# Altium PCB DDR3_Example.PcbDoc (part 5 of 6)
Units mm, origin at the board's own origin, x right, y up, seen from the top; angles counter-clockwise.
Board outline 133.38 x 30.03 mm, 6 copper layers (TOP, SPLIT1_L2, IN1_L3, IN2_L4, SPLIT2_L5, BOTTOM), stack 1.246 mm thick; 131 components, 227 nets, 1523 pads, 910 vias.
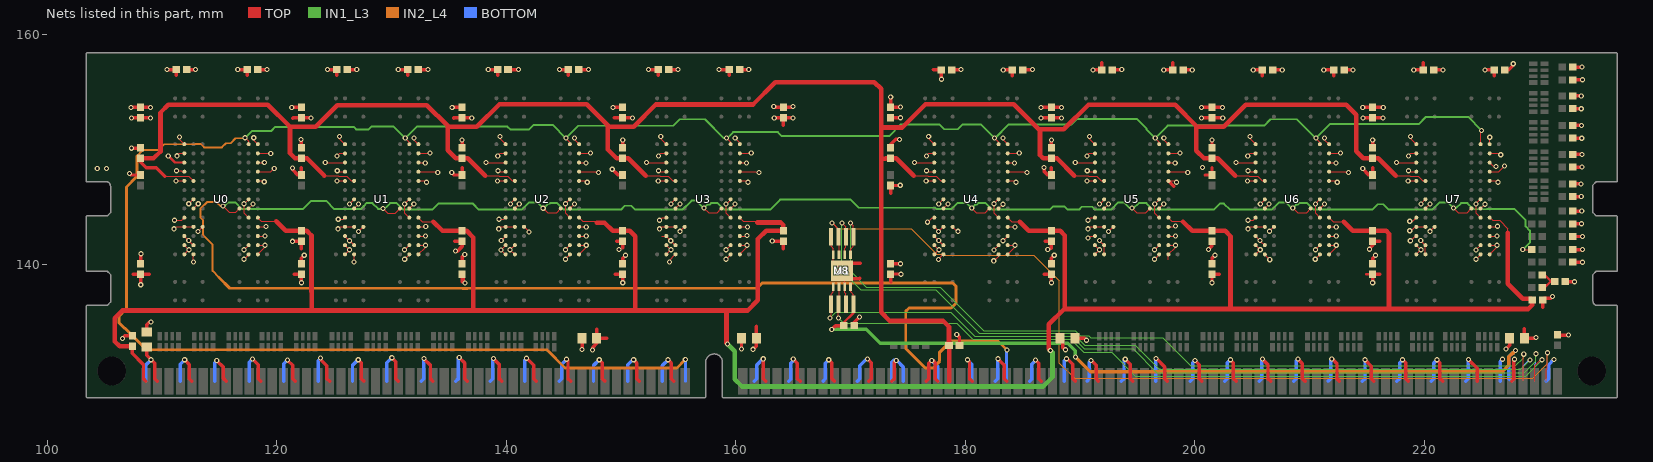
[diagram p9: the nets of this part, all layers, seen from the top]

## Via types
v1: diameter 0.45, hole 0.25, TOP to BOTTOM, 910 vias

## Nets (pads, with @x,y where several pads share a name; then routed paths per layer and width w, separated by ;. In a path a pad name is that pad's centre, name@x,y a point inside that pad or via, vN(x,y) a via of type N, cw(c..) or ccw(c..) an arc to the next point about the centre after c; other vN are vias at no path point) (continued)
RAS: RT6.1 U0.F3 U1.F3 U2.F3 U3.F3 U4.F3 U5.F3 U6.F3 U7.F3 | length 239.8
  TOP w0.1: v1(115.309,145.067) 115.874,144.502 116.405,144.502 U0.F3@116.746,144.843 ; v1(129.246,144.845) 129.246,144.863 129.682,144.427 130.33,144.427 U1.F3@130.746,144.843 ; v1(143.215,144.858) 143.596,144.477 144.38,144.477 U2.F3@144.746,144.843 ; v1(157.226,144.881) 157.64,144.467 158.37,144.467 U3.F3@158.746,144.843 ; v1(180.556,144.875) 180.954,144.477 181.73,144.477 U4.F3@182.096,144.843 ; v1(194.536,144.87) 194.929,144.477 195.73,144.477 U5.F3@196.096,144.843 ; v1(208.536,144.87) 208.536,144.899 208.958,144.477 209.73,144.477 U6.F3@210.096,144.843 ; v1(222.546,144.875) 222.944,144.477 223.73,144.477 U7.F3@224.096,144.843 ; v1(228.576,141.259) RT6.1@229.369,141.259
  IN1_L3 w0.17: v1(115.309,145.067) 115.487,145.067 115.79,145.37 116.376,145.37 116.957,144.789 122.285,144.789 122.996,145.5 124.296,145.5 125.006,144.79 127.266,144.79 127.269,144.793 127.308,144.793 127.563,145.048 ; 127.564,145.048 127.836,145.32 128.316,145.32 128.324,145.312 128.33,145.312 128.829,144.813 v1@129.246,144.813 ; v1(129.246,144.845) v1@129.246,144.813 ; v1(228.576,141.259) 229.186,141.869 229.186,142.92 228.826,143.28 228.826,143.81 227.856,144.78 225.475,144.78 225.468,144.773 224.283,144.773 223.74,145.316 223.194,145.316 222.753,144.875 v1(222.546,144.875) 222.041,145.38 221.346,145.38 220.706,144.74 216.886,144.74 216.416,145.21 215.926,145.21 215.461,144.745 210.351,144.745 209.78,145.316 209.529,145.316 209.528,145.317 209.081,145.317 208.944,145.18 208.833,145.18 208.536,144.883 v1(208.536,144.87) 208.515,144.891 208.392,144.891 207.903,145.38 207.346,145.38 206.706,144.74 203.066,144.74 202.536,145.27 202.176,145.27 201.646,144.74 198.089,144.74 198.084,144.745 196.351,144.745 195.78,145.316 195.092,145.316 194.646,144.87 v1(194.536,144.87) 194.503,144.903 194.273,144.903 193.796,145.38 193.346,145.38 192.706,144.74 191.296,144.74 191.046,144.99 190.156,144.99 189.906,144.74 188.926,144.74 188.636,145.03 187.656,145.03 187.366,144.74 182.356,144.74 181.779,145.317 181.143,145.317 181.006,145.18 180.861,145.18 v1(180.556,144.875) 180.251,145.18 180.248,145.18 180.116,145.312 179.298,145.312 178.779,144.793 177.504,144.793 177.394,144.903 170.723,144.903 170.016,145.61 163.866,145.61 162.996,144.74 159.006,144.74 158.429,145.317 157.844,145.317 157.707,145.18 157.525,145.18 v1(157.226,144.881) 157.192,144.881 156.543,145.53 156.146,145.53 155.356,144.74 151.226,144.74 150.886,145.08 150.336,145.08 149.996,144.74 146.739,144.74 146.734,144.745 145.001,144.745 144.43,145.316 143.834,145.316 143.801,145.283 143.697,145.283 143.272,144.858 v1(143.215,144.858) 142.693,145.38 141.996,145.38 141.356,144.74 137.606,144.74 137.056,145.29 134.096,145.29 133.546,144.74 131.006,144.74 130.446,145.3 129.886,145.3 129.534,144.948 129.315,144.813 v1@129.246,144.813
  IN2_L4 w0.17: 114.963,138.838 114.406,139.395 114.406,141.7 113.583,142.523 113.583,143.822 113.366,144.039 113.366,144.841 113.931,145.406 114.744,145.406 115.083,145.067 v1(115.309,145.067)
  IN2_L4 w0.254: 114.963,138.838 115.912,137.889 136.199,137.889 136.207,137.881 136.605,137.881 136.613,137.889 161.84,137.889 162.281,138.33 178.926,138.33 179.186,138.07 179.186,136.59 178.766,136.17 175.086,136.17 174.806,135.89 174.806,132.65 176.504,130.952 177.178,130.952 177.764,131.538 177.764,132.32 178.736,133.292 182.844,133.292 v1(183.636,132.5)
  BOTTOM w0.254: 183.601,129.784 183.601,132.465 v1(183.636,132.5)
RESET: U0.N2 U1.N2 U2.N2 U3.N2 U4.N2 U5.N2 U6.N2 U7.N2 | length 201.6
  TOP w0.1: v1(117.246,151) 117.546,150.7 U0.N2@117.546,150.441 ; v1(131.196,150.97) 131.546,150.62 U1.N2@131.546,150.441 ; v1(145.196,150.97) 145.546,150.62 U2.N2@145.546,150.441 ; v1(159.196,150.97) 159.546,150.62 U3.N2@159.546,150.441 ; v1(182.546,150.97) 182.896,150.62 U4.N2@182.896,150.441 ; v1(196.546,150.97) 196.896,150.62 U5.N2@196.896,150.441 ; v1(210.546,150.97) 210.896,150.62 U6.N2@210.896,150.441 ; U7.N2@224.896,150.441 224.896,151.57 v1(224.976,151.65)
  IN1_L3 w0.17: v1(117.246,151) 117.836,151.59 119.499,151.59 119.869,151.96 126.696,151.96 126.916,151.74 128.006,151.74 128.236,151.97 130.196,151.97 v1(131.196,150.97) 132.206,151.98 140.096,151.98 140.346,151.73 141.986,151.73 142.386,152.13 144.036,152.13 v1(145.196,150.97) 146.276,152.05 154.566,152.05 155.133,152.617 157.315,152.617 158.962,150.97 v1(159.196,150.97) 159.236,150.97 159.761,151.495 163.671,151.495 164.016,151.15 173.362,151.15 174.382,152.17 177.746,152.17 178.173,151.743 179.329,151.743 179.756,152.17 181.346,152.17 v1(182.546,150.97) 182.586,150.97 183.756,152.14 189.236,152.14 189.746,152.65 194.937,152.65 195.794,151.793 195.794,151.722 v1(196.546,150.97) 197.636,152.06 206.036,152.06 206.593,152.617 208.899,152.617 v1(210.546,150.97) 211.766,152.19 219.516,152.19 220.143,152.817 223.809,152.817 v1(224.976,151.65)
  IN2_L4 w0.17: 107.806,149.41 108.334,149.938 109.674,149.938 110.176,150.44 112.917,150.44 112.944,150.467 113.379,150.467 113.675,150.171 115.223,150.171 115.577,150.525 115.971,150.525 116.406,150.96 117.206,150.96 v1(117.246,151)
  IN2_L4 w0.254: 107.806,149.41 107.806,147.62 106.902,146.716 106.902,136.116 106.236,135.45 106.236,134.901 106.732,134.405 106.781,134.405 108.656,132.53 143.536,132.53 145.126,130.94 154.866,130.94 v1(155.601,131.675)
  BOTTOM w0.254: 155.601,129.784 v1(155.601,131.675)
SA0: M1.1 U8.1 | length 72.2
  TOP w0.1: U8.1@169.996,140.817 169.996,141.3 170.246,141.55 M1.1@170.246,142.36 170.246,143.33 v1(169.996,143.58) ; 228.601,129.784 228.601,131.955 228.655,132.009 v1(228.655,132.145)
  IN1_L3 w0.1: v1(169.996,143.58) 169.996,139.38 171.386,137.99 177.796,137.99 181.584,134.202 189.574,134.202 190.014,133.762 190.733,133.762 190.735,133.76 190.766,133.76 190.946,133.58 197.196,133.58 199.656,131.12 227.926,131.12 228.655,131.849 v1(228.655,132.145)
SA1: M1.2 U8.2 | length 73.1
  TOP w0.1: v1(169.246,143.58) 169.596,143.23 M1.2@169.596,142.36 169.596,141.46 169.496,141.36 U8.2@169.496,140.817
  IN1_L3 w0.1: v1(169.246,143.58) 169.246,139.382 170.888,137.74 177.426,137.74 181.214,133.952 189.404,133.952 190.426,132.93 194.816,132.93 196.906,130.84 228.386,130.84 229.183,131.637 v1(229.208,131.637)
  BOTTOM w0.1: 228.601,129.784 228.601,131.145 229.093,131.637 v1(229.208,131.637)
SA2: M1.3 U8.3 | length 79.2
  TOP w0.1: v1(168.396,143.59) 168.946,143.04 M1.3@168.946,142.36 168.996,142.31 U8.3@168.996,140.817 ; 230.601,129.784 230.601,130.77 230.726,130.895 v1(230.726,132.27)
  IN2_L4 w0.1: v1(168.396,143.59) 168.416,143.59 168.916,143.09 175.278,143.09 177.529,140.839 177.987,140.839 178.044,140.782 185.954,140.782 188.186,138.55 188.186,131.37 189.526,130.03 229.446,130.03 230.726,131.31 v1(230.726,132.27)
SCL: M1.6 U8.6 | length 69
  TOP w0.1: v1(168.946,135.311) M1.6@168.946,136.48 168.946,136.51 168.996,136.56 U8.6@168.996,138.023 ; 229.601,129.784 229.601,131.135 230.126,131.66 v1(230.256,131.66)
  IN1_L3 w0.1: v1(168.946,135.311) 169.427,134.83 179.266,134.83 180.663,133.433 189.173,133.433 190.311,132.295 192.771,132.295 194.826,130.24 228.836,130.24 v1(230.256,131.66)
SDA: M1.5 U8.5 | length 70.3
  TOP w0.1: v1(168.196,135.286) 168.296,135.386 M1.5@168.296,136.48 168.296,137.37 168.496,137.57 U8.5@168.496,138.023
  IN1_L3 w0.1: v1(168.196,135.286) 168.73,135.82 178.716,135.82 180.816,133.72 181.092,133.72 181.11,133.702 189.3,133.702 190.382,132.62 194.616,132.62 196.696,130.54 228.716,130.54 229.72,131.544 v1(229.72,132.186)
  BOTTOM w0.1: 229.601,129.784 229.601,131.225 229.72,131.344 v1(229.72,132.186)
TEST: 
UNNAMED_3_SMC0402_I99_A1: C_VT16.1 RT3.2 RT4.2 | length 2.3
  TOP w0.2: RT4.2@230.283,137.949 230.475,137.949 230.99,138.464 C_VT16.1@231.072,138.464 ; RT3.2@230.283,139.059 230.477,139.059 C_VT16.1@231.072,138.464 ; C_VT16.1@231.354,138.464 C_VT16.1@231.072,138.464
VDD: C1.2 C2.2 C3.2 C4.2 C5.2 C6.2 C7.2 C8.2 C9.2 C10.2 C11.2 C12.2 C13.2 C14.2 C15.2 C16.2 C17.2 C18.2 C19.2 C20.2 C21.2 C22.2 C23.2 C24.2 C25.2 C26.2 C27.2 C28.2 C29.2 C30.2 C31.2 C32.2 C33.2 C_VCA1.2 C_VCA2.2 C_VCA3.2 C_VCA4.2 C_VCA5.2 C_VCA6.2 C_VCA7.2 C_VCA8.2 C_VCA9.2 C_VT1.2 C_VT2.2 C_VT3.2 C_VT4.2 C_VT5.2 C_VT6.2 C_VT7.2 C_VT8.2 C_VT9.2 C_VT10.2 C_VT11.2 C_VT12.2 C_VT13.2 C_VT14.2 C_VT15.2 C_VT16.2 C_VT18.2 CB1.1 CB2.1 CB3.1 CB4.1 CB5.1 U0.A2 U0.A9 U0.B9 U0.C1 U0.D7 U0.E2 U0.E9 U0.G2 U0.G8 U0.K1 U0.K9 U0.M1 U0.M9 U1.A2 U1.A9 U1.B9 U1.C1 U1.D7 U1.E2 U1.E9 U1.G2 U1.G8 U1.K1 U1.K9 U1.M1 U1.M9 U2.A2 U2.A9 U2.B9 U2.C1 U2.D7 U2.E2 U2.E9 U2.G2 U2.G8 U2.K1 U2.K9 U2.M1 U2.M9 U3.A2 U3.A9 U3.B9 U3.C1 U3.D7 U3.E2 U3.E9 U3.G2 U3.G8 U3.K1 U3.K9 U3.M1 U3.M9 U4.A2 U4.A9 U4.B9 U4.C1 U4.D7 U4.E2 U4.E9 U4.G2 U4.G8 U4.K1 U4.K9 U4.M1 U4.M9 U5.A2 U5.A9 U5.B9 U5.C1 U5.D7 U5.E2 U5.E9 U5.G2 U5.G8 U5.K1 U5.K9 U5.M1 U5.M9 U6.A2 U6.A9 U6.B9 U6.C1 U6.D7 U6.E2 U6.E9 U6.G2 U6.G8 U6.K1 U6.K9 U6.M1 U6.M9 U7.A2 U7.A9 U7.B9 U7.C1 U7.D7 U7.E2 U7.E9 U7.G2 U7.G8 U7.K1 U7.K9 U7.M1 U7.M9 | length 188.4
  TOP w0.1: v1(111.089,143.818) 111.721,143.818 U0.E9@111.945,144.042 ; v1(111.276,148.13) 111.698,148.13 111.785,148.043 U0.K9@111.945,148.043 ; v1(111.296,149.43) 111.507,149.641 U0.M9@111.945,149.641 ; U0.A9@111.945,140.842 111.947,140.842 v1(112.346,141.241) U0.B9@111.945,141.642 ; v1(112.336,145.25) 112.346,145.25 112.739,145.643 U0.G8@112.745,145.643 ; v1(113.136,142.83) 113.545,143.239 U0.D7@113.545,143.242 ; v1(117.146,140.418) 117.546,140.818 U0.A2@117.546,140.842 ; U0.E2@117.546,144.042 117.146,144.442 v1(117.146,145.25) 117.539,145.643 U0.G2@117.546,145.643 ; U0.C1@118.346,142.442 v1(118.972,142.442) ; U0.K1@118.346,148.043 119.476,148.043 119.753,148.32 v1(119.786,148.32) ; U0.M1@118.346,149.643 v1(119.476,149.643) ; v1(125.256,149.427) 125.47,149.641 U1.M9@125.945,149.641 ; v1(125.276,148.13) 125.361,148.045 125.572,148.045 125.574,148.043 U1.K9@125.945,148.043 ; v1(125.36,143.898) 125.801,143.898 U1.E9@125.945,144.042 ; U1.A9@125.945,140.842 U1.A9@125.945,140.842 v1(126.346,141.241) U1.B9@125.945,141.642 ; v1(126.337,145.23) 126.326,145.23 126.739,145.643 U1.G8@126.745,145.643 ; v1(127.136,142.83) 127.136,142.858 127.52,143.242 U1.D7@127.545,143.242 ; v1(131.146,140.418) 131.546,140.818 U1.A2@131.546,140.842 ; U1.E2@131.546,144.042 131.146,144.442 v1(131.146,145.24) 131.176,145.27 131.176,145.28 131.539,145.643 U1.G2@131.546,145.643 ; U1.C1@132.346,142.442 v1(132.972,142.442) ; U1.K1@132.346,148.043 133.753,148.043 133.806,147.99 v1(134.026,147.99) ; U1.M1@132.346,149.643 133.309,149.643 v1(133.346,149.68) ; v1(139.256,149.427) 139.47,149.641 U2.M9@139.945,149.641 ; v1(139.276,148.13) 139.361,148.045 139.572,148.045 139.574,148.043 U2.K9@139.945,148.043 ; v1(139.36,143.898) 139.801,143.898 U2.E9@139.945,144.042 ; U2.A9@139.945,140.842 139.914,140.842 139.546,141.21 v1(139.546,141.231) 139.546,141.25 139.938,141.642 U2.B9@139.945,141.642 ; v1(140.356,145.24) 140.356,145.26 140.739,145.643 U2.G8@140.745,145.643 ; U2.D7@141.545,143.242 141.549,143.242 v1(141.993,142.798) ; v1(145.146,140.418) 145.546,140.818 U2.A2@145.546,140.842 ; U2.E2@145.546,144.042 145.176,144.412 145.176,145.23 v1(145.156,145.25) 145.176,145.27 145.176,145.28 145.539,145.643 U2.G2@145.546,145.643 ; U2.C1@146.346,142.442 v1(146.972,142.442) ; U2.K1@146.346,148.043 147.753,148.043 147.806,147.99 v1(148.026,147.99) ; U2.M1@146.346,149.643 147.309,149.643 v1(147.346,149.68) ; v1(153.256,149.427) 153.47,149.641 U3.M9@153.945,149.641 ; v1(153.276,148.13) 153.361,148.045 153.572,148.045 153.574,148.043 U3.K9@153.945,148.043 ; v1(153.346,143.818) 153.57,144.042 U3.E9@153.945,144.042 ; U3.A9@153.945,140.842 153.947,140.842 v1(154.346,141.241) U3.B9@153.945,141.642 ; v1(154.346,145.23) 154.346,145.25 154.739,145.643 U3.G8@154.745,145.643 ; v1(155.146,142.85) 155.146,142.868 155.52,143.242 U3.D7@155.545,143.242 ; v1(159.146,140.418) 159.546,140.818 U3.A2@159.546,140.842 ; v1(159.156,145.24) v1@159.156,145.23 ; U3.E2@159.546,144.042 159.176,144.412 159.176,145.21 v1@159.156,145.23 ; U3.G2@159.546,145.643 159.546,145.62 v1@159.156,145.23 ; U3.C1@160.346,142.442 160.938,142.442 v1(160.976,142.48) ; U3.K1@160.346,148.043 161.753,148.043 161.806,147.99 v1(162.026,147.99) ; U3.M1@160.346,149.643 161.309,149.643 v1(161.346,149.68) ; v1(176.606,149.427) 176.82,149.641 U4.M9@177.295,149.641 ; v1(176.626,148.13) 176.711,148.045 176.922,148.045 176.924,148.043 U4.K9@177.295,148.043 ; v1(176.71,143.648) 177.104,144.042 U4.E9@177.295,144.042 ; U4.A9@177.295,140.842 177.297,140.842 v1(177.696,141.241) U4.B9@177.295,141.642 ; v1(177.686,145.23) 177.676,145.23 178.089,145.643 U4.G8@178.095,145.643 ; U4.D7@178.895,143.242 178.916,143.221 179.286,142.85 v1(179.356,142.85) ; v1(182.476,140.28) 182.896,140.7 U4.A2@182.896,140.842 ; U4.E2@182.896,144.042 182.526,144.412 182.526,145.22 v1(182.496,145.25) 182.889,145.643 U4.G2@182.896,145.643 ; v1(183.296,142.03) 183.276,142.03 183.688,142.442 U4.C1@183.696,142.442 ; U4.K1@183.696,148.043 185.103,148.043 185.156,147.99 v1(185.376,147.99) ; U4.M1@183.696,149.643 184.659,149.643 v1(184.696,149.68) ; v1(190.606,149.427) 190.82,149.641 U5.M9@191.295,149.641 ; v1(190.626,148.13) 190.711,148.045 190.922,148.045 190.924,148.043 U5.K9@191.295,148.043 ; v1(190.696,143.818) 190.92,144.042 U5.E9@191.295,144.042 ; U5.A9@191.295,140.842 191.297,140.842 v1(191.696,141.241) U5.B9@191.295,141.642 ; v1(191.705,145.231) 192.095,145.621 U5.G8@192.095,145.643 ; v1(192.467,142.821) 192.496,142.85 192.496,142.854 192.884,143.242 U5.D7@192.895,143.242 ; v1(196.496,140.418) 196.896,140.818 U5.A2@196.896,140.842 ; U5.E2@196.896,144.042 196.526,144.412 196.526,145.236 v1(196.51,145.236) 196.896,145.622 U5.G2@196.896,145.643 ; U5.C1@197.696,142.442 v1(198.322,142.442) ; U5.K1@197.696,148.043 199.103,148.043 199.156,147.99 v1(199.376,147.99) ; U5.M1@197.696,149.643 198.659,149.643 v1(198.696,149.68) ; v1(204.606,149.427) 204.82,149.641 U6.M9@205.295,149.641 ; v1(204.626,148.13) 204.713,148.043 U6.K9@205.295,148.043 ; v1(204.646,143.818) 205.071,143.818 U6.E9@205.295,144.042 ; U6.A9@205.295,140.842 205.297,140.842 v1(205.696,141.241) U6.B9@205.295,141.642 ; v1(205.705,145.231) 206.095,145.621 U6.G8@206.095,145.643 ; v1(206.496,142.858) 206.496,142.868 206.87,143.242 U6.D7@206.895,143.242 ; v1(210.496,140.418) 210.896,140.818 U6.A2@210.896,140.842 ; v1(210.508,145.234) v1@210.52,145.234 ; U6.E2@210.896,144.042 210.52,144.418 210.52,145.218 210.522,145.22 210.522,145.234 v1@210.52,145.234 ; U6.G2@210.896,145.643 210.52,145.267 v1@210.52,145.234 ; U6.C1@211.696,142.442 v1(212.322,142.442) ; U6.K1@211.696,148.043 213.103,148.043 213.156,147.99 v1(213.376,147.99) ; U6.M1@211.696,149.643 212.659,149.643 v1(212.696,149.68) ; v1(218.606,149.427) 218.82,149.641 U7.M9@219.295,149.641 ; v1(218.626,148.13) 218.711,148.045 218.922,148.045 218.924,148.043 U7.K9@219.295,148.043 ; v1(218.726,143.73) 218.983,143.73 U7.E9@219.295,144.042 ; U7.A9@219.295,140.842 U7.A9@219.295,140.842 v1(219.696,141.241) U7.B9@219.295,141.642 ; v1(219.696,145.23) 219.676,145.23 220.089,145.643 U7.G8@220.095,145.643 ; v1(220.486,142.85) 220.506,142.87 220.506,142.878 220.87,143.242 U7.D7@220.895,143.242 ; v1(224.496,140.418) 224.896,140.818 U7.A2@224.896,140.842 ; U7.E2@224.896,144.042 224.526,144.412 224.526,145.22 v1(224.506,145.24) 224.526,145.26 224.526,145.28 224.889,145.643 U7.G2@224.896,145.643 ; U7.C1@225.696,142.442 v1(226.322,142.442) ; U7.K1@225.696,148.043 226.491,148.043 v1(226.991,148.543) ; U7.M1@225.696,149.643 226.536,149.643 v1(226.659,149.52)
  TOP w0.3: v1(107.302,153.654) C25.2@108.145,153.654 v1(108.99,153.654) ; v1(107.356,150.096) 108.145,150.096 C_VCA1.2@108.145,150.121 ; C1.2@108.145,140.029 108.156,140.04 v1(108.156,140.9) ; CB1.1@108.666,134.08 108.666,134.693 108.936,134.963 v1(109.031,134.963) ; C2.2@112.153,156.947 112.897,156.947 v1(112.916,156.966) ; C3.2@118.329,156.947 119.127,156.947 v1(119.146,156.966) ; v1(121.302,153.654) C26.2@122.145,153.654 ; v1(122.116,150.84) 122.145,150.811 C_VCA5.2@122.145,150.121 ; C4.2@122.145,140.029 122.145,140.517 v1(122.396,140.768) ; C5.2@126.153,156.947 126.951,156.947 v1(126.97,156.966) ; C6.2@132.329,156.947 133.147,156.947 v1(133.166,156.966) ; v1(135.286,153.654) C27.2@136.145,153.654 ; C7.2@136.145,140.029 136.145,140.579 v1(136.386,140.82) ; C_VCA2.2@136.145,150.121 v1(136.145,150.819) ; C8.2@140.153,156.947 141.051,156.947 v1(141.07,156.966) ; C9.2@146.329,156.947 147.157,156.947 v1(147.176,156.966) ; CB2.1@146.586,133.53 146.606,133.51 v1(146.606,132.55) ; v1(149.286,153.654) C28.2@150.145,153.654 ; C10.2@150.145,140.029 150.145,140.517 v1(150.396,140.768) ; C_VCA6.2@150.145,150.121 v1(150.145,150.819) ; C11.2@154.153,156.947 154.931,156.947 v1(154.95,156.966) ; C12.2@160.353,156.947 161.105,156.947 v1(161.124,156.966) ; v1(160.486,132.6) 160.496,132.61 CB3.1@160.496,133.53 ; v1(162.396,131.74) 162.396,129.989 162.601,129.784 ; v1(163.302,153.724) 163.372,153.654 C29.2@164.145,153.654 164.92,153.654 v1(164.99,153.724) ; v1(165.006,131.732) 165.366,131.372 165.366,130.019 165.601,129.784 ; v1(168.101,131.659) 168.356,131.404 168.356,130.029 168.601,129.784 ; v1(171.486,131.733) 171.806,131.413 171.806,129.989 171.601,129.784 ; C13.2@173.495,140.029 v1(174.346,140.029) ; C_VCA3.2@173.495,150.121 173.495,150.429 173.928,150.862 v1(174.259,150.862) ; C30.2@173.496,152.74 173.506,152.75 v1(174.346,152.75) ; 173.601,129.784 173.801,129.984 173.801,131.425 v1(173.976,131.6) ; 176.601,129.784 176.816,129.999 176.816,131.337 v1(177.076,131.597) 177.189,131.597 177.376,131.41 177.376,130.009 177.601,129.784 ; C14.2@178.803,156.918 178.778,156.918 178.804,156.944 v1(179.626,156.944) ; v1(179.256,133.86) 179.493,133.623 C_VCA9.2@179.493,132.92 ; v1(180.196,131.658) 180.196,131.65 180.366,131.48 180.366,130.019 180.601,129.784 ; v1(182.836,131.75) 183.366,131.22 183.386,131.22 183.386,129.999 183.601,129.784 ; C15.2@185.003,156.918 184.978,156.918 185.007,156.947 v1(185.846,156.947) ; v1(186.106,131.648) 186.386,131.368 186.386,129.999 186.601,129.784 ; v1(186.596,152.74) C31.2@187.496,152.74 v1(188.386,152.74) ; C16.2@187.495,140.029 187.495,140.517 v1(187.746,140.768) ; C_VCA7.2@187.495,150.121 v1(187.495,150.819) ; CB5.1@188.256,133.53 188.486,133.3 188.486,132.72 188.736,132.47 v1(188.736,132.53) ; v1(188.826,131.75) 188.826,131.77 188.846,131.79 189.366,131.27 189.366,130.019 189.601,129.784 ; C17.2@192.803,156.918 192.778,156.918 192.807,156.947 v1(193.636,156.947) ; C18.2@199.003,156.918 199.768,156.918 v1(199.776,156.91) ; v1(200.586,152.74) C32.2@201.496,152.74 v1(202.426,152.74) ; C19.2@201.495,140.029 201.495,140.517 v1(201.746,140.768) ; C_VCA4.2@201.495,150.121 v1(201.495,150.819) ; C20.2@206.803,156.918 207.608,156.918 v1(207.616,156.91) ; C21.2@213.003,156.918 213.768,156.918 v1(213.776,156.91) ; v1(214.666,152.74) C33.2@215.496,152.74 v1(216.406,152.74) ; C22.2@215.495,140.029 215.495,140.517 v1(215.746,140.768) ; C_VCA8.2@215.495,150.121 v1(215.495,150.819) ; C23.2@220.803,156.918 221.624,156.918 v1(221.626,156.92) ; C24.2@227.003,156.918 227.344,156.918 227.746,157.32 v1(227.746,157.45) ; v1(227.106,132.59) 227.426,132.91 CB4.1@227.426,133.53 ; C_VT18.2@231.606,133.837 231.606,133.812 v1(232.546,133.812) ; C_VT16.2@232.268,138.464 232.243,138.464 232.248,138.459 v1(233.076,138.459) ; C_VT15.2@232.946,140.159 v1(233.766,140.159) ; C_VT14.2@232.946,141.259 v1(233.786,141.259) ; C_VT13.2@232.946,142.399 v1(233.776,142.399) ; C_VT12.2@232.946,143.509 v1(233.696,143.509) ; C_VT11.2@232.946,144.609 v1(233.716,144.609) ; C_VT10.2@232.946,145.88 232.951,145.875 v1(233.671,145.875) ; C_VT9.2@232.946,146.98 232.951,146.985 v1(233.636,146.985) ; C_VT8.2@232.946,148.445 v1(233.726,148.445) ; C_VT7.2@232.946,149.555 v1(233.731,149.555) ; C_VT6.2@232.946,150.965 v1(233.711,150.965) ; C_VT5.2@232.946,152.075 v1(233.691,152.075) ; C_VT4.2@232.946,153.535 v1(233.671,153.535) ; C_VT3.2@232.946,154.645 v1(233.671,154.645) ; C_VT2.2@232.946,156.055 v1(233.771,156.055) ; C_VT1.2@232.946,157.165 v1(233.721,157.165)
  BOTTOM w0.254: v1(180.196,131.658) 180.601,131.253 180.601,129.784
  BOTTOM w0.3: 161.601,129.784 161.826,130.009 161.826,131.2 162.366,131.74 v1(162.396,131.74) ; 164.601,129.784 164.776,129.959 164.776,131.34 164.966,131.53 164.966,131.692 v1(165.006,131.732) ; 167.601,129.784 167.806,129.989 167.806,131.36 168.101,131.655 v1(168.101,131.659) ; 170.601,129.784 170.816,129.999 170.816,131.15 171.399,131.733 v1(171.486,131.733) ; 173.601,129.784 173.601,131.425 173.776,131.6 v1(173.976,131.6) 174.026,131.6 174.601,131.025 174.601,129.784 ; v1(177.076,131.597) 177.099,131.597 177.601,131.095 177.601,129.784 ; 182.601,129.784 182.836,130.019 v1(182.836,131.75) ; 185.601,129.784 185.786,129.969 185.786,131.25 186.106,131.57 v1(186.106,131.648) ; 188.601,129.784 188.601,131.525 v1(188.826,131.75)
VDDSPD: C_SPD.1 M1.8 U8.8 | length 70.6
  TOP w0.1: U8.8@169.996,138.023 169.996,137.59 170.246,137.34 M1.8@170.246,136.48
  TOP w0.2: C_SPD.1@169.394,134.63 169.394,134.888 170.246,135.74 M1.8@170.246,136.48
  TOP w0.3: v1(168.356,134.3) 168.686,134.63 C_SPD.1@169.394,134.63
  IN1_L3 w0.3: v1(168.356,134.3) 171.356,134.3 172.576,133.08 188.936,133.08 189.586,132.43 v1(189.586,131.91)
  IN2_L4 w0.3: v1(189.586,131.91) 190.876,130.62 226.796,130.62 227.364,131.188 227.364,131.908 227.658,132.202 227.678,132.202 v1(227.936,132.46)
  BOTTOM w0.3: 227.601,129.784 227.364,130.021 227.364,131.908 227.658,132.202 227.678,132.202 v1(227.936,132.46)
VREFCA: C_VCA1.1 C_VCA2.1 C_VCA3.1 C_VCA4.1 C_VCA5.1 C_VCA6.1 C_VCA7.1 C_VCA8.1 C_VCA9.1 U0.J8 U1.J8 U2.J8 U3.J8 U4.J8 U5.J8 U6.J8 U7.J8 | length 218.2
  TOP w0.1: 110.241,147.645 112.343,147.645 U0.J8@112.745,147.243 ; 124.156,147.69 125.361,147.69 125.408,147.643 126.111,147.643 126.511,147.243 U1.J8@126.745,147.243 ; 138.156,147.69 139.361,147.69 139.408,147.643 140.111,147.643 140.511,147.243 U2.J8@140.745,147.243 ; 152.156,147.69 153.361,147.69 153.408,147.643 154.111,147.643 154.511,147.243 U3.J8@154.745,147.243 ; 175.506,147.69 176.711,147.69 176.758,147.643 177.461,147.643 177.861,147.243 U4.J8@178.095,147.243 ; 189.506,147.69 190.711,147.69 190.758,147.643 191.461,147.643 191.861,147.243 U5.J8@192.095,147.243 ; 203.506,147.69 204.711,147.69 204.758,147.643 205.461,147.643 205.861,147.243 U6.J8@206.095,147.243 ; 217.506,147.69 218.711,147.69 218.758,147.643 219.461,147.643 219.861,147.243 U7.J8@220.095,147.243
  TOP w0.3: C_VCA1.1@108.145,149.207 108.145,148.881 108.636,148.39 109.496,148.39 110.241,147.645
  TOP w0.4: C_VCA1.1@108.145,149.207 109.263,149.207 109.866,149.81 109.866,153.2 110.556,153.89 119.216,153.89 121.156,151.95 ; 124.156,147.69 122.639,149.207 C_VCA5.1@122.145,149.207 121.589,149.207 121.156,149.64 121.156,151.95 ; 138.156,147.69 136.639,149.207 C_VCA2.1@136.145,149.207 135.589,149.207 134.886,149.91 134.886,151.97 ; 152.156,147.69 150.639,149.207 C_VCA6.1@150.145,149.207 149.609,149.207 148.836,149.98 148.836,152.09 ; 175.506,147.69 173.989,149.207 C_VCA3.1@173.495,149.207 173.073,149.207 173.056,149.19 172.666,149.19 ; 178.601,129.784 178.601,132.898 C_VCA9.1@178.579,132.92 178.579,134.547 178.086,135.04 173.426,135.04 172.666,135.8 172.666,149.19 ; 189.506,147.69 187.989,149.207 C_VCA7.1@187.495,149.207 186.796,149.207 186.506,149.497 186.506,151.65 186.586,151.73 ; 203.506,147.69 201.989,149.207 C_VCA4.1@201.495,149.207 200.796,149.207 200.136,149.867 200.136,152.03 ; 217.506,147.69 215.989,149.207 C_VCA8.1@215.495,149.207 214.689,149.207 214.066,149.83 214.066,153 213.196,153.87 204.426,153.87 202.506,151.95 200.216,151.95 200.136,152.03 ; 121.156,151.95 123.396,151.95 125.286,153.84 133.086,153.84 134.886,152.04 134.886,151.97 ; 134.886,151.97 134.896,151.96 137.436,151.96 139.406,153.93 146.996,153.93 148.836,152.09 ; 148.836,152.09 148.946,151.98 151.106,151.98 153.026,153.9 161.496,153.9 163.446,155.85 172.076,155.85 172.666,155.26 172.666,151.91 ; 172.666,149.19 172.666,151.91 ; 172.666,151.91 172.676,151.9 174.506,151.9 176.526,153.92 184.216,153.92 186.406,151.73 186.586,151.73 ; 186.586,151.73 188.586,151.73 190.736,153.88 198.286,153.88 200.136,152.03
VREFDQ: C_VDQ1.1 C_VDQ2.1 C_VDQ3.1 C_VDQ4.1 C_VDQ5.1 C_VDQ6.1 C_VDQ7.1 C_VDQ8.1 C_VDQ9.1 U0.E1 U1.E1 U2.E1 U3.E1 U4.E1 U5.E1 U6.E1 U7.E1 | length 241.2
  TOP w0.1: U0.E1@118.346,144.042 118.658,143.73 119.956,143.73 ; U1.E1@132.346,144.042 132.688,143.7 133.636,143.7 ; U2.E1@146.346,144.042 146.668,143.719 147.747,143.719 147.866,143.6 ; U3.E1@160.346,144.042 160.638,143.75 161.746,143.75 161.876,143.62 ; U4.E1@183.696,144.042 U4.E1@183.696,144.042 184.054,143.682 184.734,143.682 184.736,143.68 ; U5.E1@197.696,144.042 197.696,144.03 198.006,143.72 198.946,143.72 198.966,143.7 ; U6.E1@211.696,144.042 211.696,144.03 212.056,143.67 212.936,143.67 212.966,143.7 ; U7.E1@225.696,144.042 225.938,143.8 226.566,143.8 227.276,143.09 227.276,142.73
  TOP w0.3: C_VDQ9.1@107.416,132.823 107.416,132.21 108.386,131.24 108.386,129.999 108.601,129.784
  TOP w0.4: C_VDQ9.1@107.416,132.823 106.313,132.823 105.886,133.25 105.886,135.29 106.546,135.95 123.086,135.95 ; 119.956,143.73 120.793,142.893 C_VDQ1.1@122.145,142.893 122.623,142.893 123.026,142.49 123.026,137.58 123.046,137.56 123.046,135.99 123.086,135.95 ; 133.636,143.7 134.443,142.893 C_VDQ5.1@136.145,142.893 136.552,142.893 137.136,142.309 137.136,136.01 137.196,135.95 ; 147.866,143.6 148.556,143.6 149.263,142.893 C_VDQ6.1@150.145,142.893 150.763,142.893 151.226,142.43 151.226,136.05 151.126,135.95 ; v1(159.266,133.04) 159.186,133.12 159.186,135.92 159.156,135.95 ; 161.876,143.62 163.925,143.62 164.145,143.4 C_VDQ2.1@164.145,142.893 162.639,142.893 161.926,142.18 161.926,136.84 161.036,135.95 159.156,135.95 ; 184.736,143.68 185.523,142.893 C_VDQ3.1@187.495,142.893 188.273,142.893 188.676,142.49 188.676,136.102 188.656,136.082 ; v1(187.406,132.48) 187.276,132.61 187.276,134.75 188.608,136.082 188.656,136.082 ; 198.966,143.7 199.773,142.893 C_VDQ7.1@201.495,142.893 202.633,142.893 203.106,142.42 203.106,136.152 203.036,136.082 ; 212.966,143.7 213.773,142.893 C_VDQ4.1@215.495,142.893 216.677,142.893 216.916,142.654 216.916,136.092 216.906,136.082 ; 227.276,142.73 227.276,138.27 228.586,136.96 229.32,136.96 C_VDQ8.1@229.403,136.877 229.403,136.432 229.053,136.082 216.906,136.082 ; 123.086,135.95 137.196,135.95 ; 137.196,135.95 151.126,135.95 ; 151.126,135.95 159.156,135.95 ; 188.656,136.082 203.036,136.082 ; 203.036,136.082 216.906,136.082
  IN1_L3 w0.4: v1(159.266,133.04) 159.916,132.39 159.916,129.95 160.536,129.33 186.776,129.33 187.596,130.15 187.596,132.29 v1(187.406,132.48)
VSS: C1.1 C2.1 C3.1 C4.1 C5.1 C6.1 C7.1 C8.1 C9.1 C10.1 C11.1 C12.1 C13.1 C14.1 C15.1 C16.1 C17.1 C18.1 C19.1 C20.1 C21.1 C22.1 C23.1 C24.1 C25.1 C26.1 C27.1 C28.1 C29.1 C30.1 C31.1 C32.1 C33.1 C_SPD.2 C_VDQ1.2 C_VDQ2.2 C_VDQ3.2 C_VDQ4.2 C_VDQ5.2 C_VDQ6.2 C_VDQ7.2 C_VDQ8.2 C_VDQ9.2 CB1.2 CB2.2 CB3.2 CB4.2 CB5.2 M1.4 M1.7 U0.A1 U0.A8 U0.B1 U0.B2 U0.B8 U0.C9 U0.D1 U0.D8 U0.D9 U0.F2 U0.F8 U0.J1 U0.J9 U0.L1 U0.L9 U0.N1 U0.N9 U1.A1 U1.A8 U1.B1 U1.B2 U1.B8 U1.C9 U1.D1 U1.D8 U1.D9 U1.F2 U1.F8 U1.J1 U1.J9 U1.L1 U1.L9 U1.N1 U1.N9 U2.A1 U2.A8 U2.B1 U2.B2 U2.B8 U2.C9 U2.D1 U2.D8 U2.D9 U2.F2 U2.F8 U2.J1 U2.J9 U2.L1 U2.L9 U2.N1 U2.N9 U3.A1 U3.A8 U3.B1 U3.B2 U3.B8 U3.C9 U3.D1 U3.D8 U3.D9 U3.F2 U3.F8 U3.J1 U3.J9 U3.L1 U3.L9 U3.N1 U3.N9 U4.A1 U4.A8 U4.B1 U4.B2 U4.B8 U4.C9 U4.D1 U4.D8 U4.D9 U4.F2 U4.F8 U4.J1 U4.J9 U4.L1 U4.L9 U4.N1 U4.N9 U5.A1 U5.A8 U5.B1 U5.B2 U5.B8 U5.C9 U5.D1 U5.D8 U5.D9 U5.F2 U5.F8 U5.J1 U5.J9 U5.L1 U5.L9 U5.N1 U5.N9 U6.A1 U6.A8 U6.B1 U6.B2 U6.B8 U6.C9 U6.D1 U6.D8 U6.D9 U6.F2 U6.F8 U6.J1 U6.J9 U6.L1 U6.L9 U6.N1 U6.N9 U7.A1 U7.A8 U7.B1 U7.B2 U7.B8 U7.C9 U7.D1 U7.D8 U7.D9 U7.F2 U7.F8 U7.J1 U7.J9 U7.L1 U7.L9 U7.N1 U7.N9 U8.4 U8.7 U8.9 ZR0.2 ZR1.2 ZR2.2 ZR3.2 ZR4.2 ZR5.2 ZR6.2 ZR7.2 | length 323
  TOP w0.1: v1(111.06,143.068) 111.234,143.242 U0.D9@111.945,143.242 U0.D8@112.745,143.242 ; v1(111.218,147.243) U0.J9@111.945,147.243 ; v1(111.516,151.06) 111.516,150.87 U0.N9@111.945,150.441 ; U0.C9@111.945,142.442 111.945,142.431 v1(112.326,142.05) 112.734,141.642 U0.B8@112.745,141.642 ; v1(112.734,140.175) 112.745,140.175 U0.A8@112.745,140.842 ; U0.F8@112.745,144.843 112.749,144.843 v1(113.156,145.25) ; v1(117.136,141.24) 117.538,141.642 U0.B2@117.546,141.642 ; U0.F2@117.546,144.843 117.555,144.843 v1(117.938,145.226) ; v1(117.996,151) 117.996,150.791 U0.N1@118.346,150.441 ; U0.A1@118.346,140.842 118.972,141.468 v1(118.972,141.642) U0.B1@118.346,141.642 ; U0.D1@118.346,143.242 119.036,143.242 v1(119.051,143.257) v1@118.969,143.257 ; U0.J1@118.346,147.243 118.833,147.243 v1(118.906,147.17) ; U0.L1@118.346,148.84 118.909,148.84 v1(118.916,148.847) ; v1(124.226,148.843) U1.L9@125.945,148.843 ; v1(125.239,147.243) U1.J9@125.945,147.243 ; v1(125.346,143.068) 125.52,143.242 U1.D9@125.945,143.242 U1.D8@126.745,143.242 ; v1(125.456,151.12) 125.456,150.93 U1.N9@125.945,150.441 ; U1.C9@125.945,142.442 125.945,142.421 v1(126.336,142.03) 126.357,142.03 U1.B8@126.745,141.642 ; v1(126.734,140.175) 126.745,140.175 U1.A8@126.745,140.842 ; U1.F8@126.745,144.843 126.745,144.849 v1(127.126,145.23) ; v1(131.136,141.24) 131.538,141.642 U1.B2@131.546,141.642 ; U1.F2@131.546,144.843 131.568,144.843 v1(131.944,145.219) ; v1(131.946,150.98) 131.946,150.811 132.316,150.441 U1.N1@132.346,150.441 ; U1.A1@132.346,140.842 132.348,140.842 132.972,141.466 v1(132.972,141.642) U1.B1@132.346,141.642 ; U1.D1@132.346,143.242 132.958,143.242 v1(132.986,143.27) ; U1.J1@132.346,147.243 132.933,147.243 v1(133.053,147.123) ; U1.L1@132.346,148.84 132.896,148.84 v1(132.936,148.8) ; v1(138.226,148.843) U2.L9@139.945,148.843 ; v1(139.239,147.243) U2.J9@139.945,147.243 ; v1(139.346,143.068) 139.52,143.242 U2.D9@139.945,143.242 140.175,143.242 140.179,143.238 140.513,143.238 140.517,143.242 U2.D8@140.745,143.242 ; v1(139.456,151.12) 139.456,150.93 U2.N9@139.945,150.441 ; v1(139.56,142.048) 139.945,142.433 U2.C9@139.945,142.442 ; U2.A8@140.745,140.842 140.724,140.842 v1(140.324,141.242) 140.724,141.642 U2.B8@140.745,141.642 ; U2.F8@140.745,144.843 140.745,144.849 v1(141.126,145.23) ; v1(145.146,141.24) 145.146,141.242 U2.B2@145.546,141.642 ; U2.F2@145.546,144.843 145.929,145.226 v1(145.946,145.226) ; v1(145.946,150.98) 145.946,150.85 146.346,150.45 U2.N1@146.346,150.441 ; U2.A1@146.346,140.842 146.354,140.842 146.972,141.46 v1(146.972,141.642) U2.B1@146.346,141.642 ; U2.D1@146.346,143.242 v1(146.972,143.242) ; U2.J1@146.346,147.243 146.933,147.243 v1(147.053,147.123) ; U2.L1@146.346,148.84 146.896,148.84 v1(146.936,148.8) ; v1(152.226,148.843) U3.L9@153.945,148.843 ; v1(153.239,147.243) U3.J9@153.945,147.243 ; v1(153.346,143.068) 153.52,143.242 U3.D9@153.945,143.242 U3.D8@154.745,143.242 ; v1(153.456,151.12) 153.456,150.93 U3.N9@153.945,150.441 ; 153.536,142.44 153.538,142.442 U3.C9@153.945,142.442 153.945,142.421 v1(154.336,142.03) 154.724,141.642 U3.B8@154.745,141.642 ; v1(154.21,140.171) 154.21,140.307 U3.A8@154.745,140.842 ; U3.F8@154.745,144.843 155.126,145.224 v1(155.126,145.23) ; v1(159.136,141.24) 159.136,141.232 U3.B2@159.546,141.642 ; U3.F2@159.546,144.843 159.553,144.843 v1(159.936,145.226) ; v1(159.946,150.98) 159.946,150.96 160.346,150.56 U3.N1@160.346,150.441 ; U3.A1@160.346,140.842 160.354,140.842 160.972,141.46 v1(160.972,141.642) U3.B1@160.346,141.642 ; U3.D1@160.346,143.242 v1(161.026,143.242) ; U3.J1@160.346,147.243 160.933,147.243 v1(161.053,147.123) ; U3.L1@160.346,148.84 160.896,148.84 v1(160.936,148.8) ; M1.4@168.296,142.36 168.296,141.54 168.496,141.34 U8.4@168.496,140.817 168.496,140.17 U8.9@169.246,139.42 ; U8.9@169.496,139.17 U8.7@169.496,138.023 169.496,137.5 169.596,137.4 M1.7@169.596,136.48 ; v1(175.576,148.843) U4.L9@177.295,148.843 ; v1(176.589,147.243) U4.J9@177.295,147.243 ; v1(176.806,151.12) 176.806,150.93 U4.N9@177.295,150.441 ; U4.C9@177.295,142.442 177.295,142.431 v1(177.686,142.04) 178.084,141.642 U4.B8@178.095,141.642 ; U4.D9@177.295,143.242 v1@177.676,142.86 ; v1(177.66,140.398) 178.095,140.833 U4.A8@178.095,140.842 ; v1@177.693,142.84 v1(177.676,142.84) v1@177.676,142.86 ; U4.D8@178.095,143.242 178.058,143.242 v1@177.676,142.86 ; U4.F8@178.095,144.843 178.095,144.849 v1(178.476,145.23) ; v1(182.496,141.22) 182.496,141.242 U4.B2@182.896,141.642 ; U4.F2@182.896,144.843 182.917,144.843 v1(183.289,145.215) ; v1(183.296,150.98) 183.296,150.841 U4.N1@183.696,150.441 ; U4.A1@183.696,140.842 184.322,141.468 184.322,141.47 v1(184.322,141.642) U4.B1@183.696,141.642 ; U4.D1@183.696,143.242 v1(184.322,143.242) ; U4.J1@183.696,147.243 184.283,147.243 v1(184.403,147.123) ; U4.L1@183.696,148.84 184.246,148.84 v1(184.286,148.8) ; v1(189.576,148.843) U5.L9@191.295,148.843 ; v1(190.589,147.243) U5.J9@191.295,147.243 ; v1(190.686,142.26) 190.868,142.442 U5.C9@191.295,142.442 ; v1(190.696,143.068) 190.87,143.242 U5.D9@191.295,143.242 U5.D8@192.095,143.242 ; v1(190.806,151.12) 190.806,150.93 U5.N9@191.295,150.441 ; v1(191.686,142.05) U5.B8@192.095,141.642 192.099,141.638 192.099,140.846 U5.A8@192.095,140.842 ; U5.F8@192.095,144.843 192.095,144.849 v1(192.476,145.23) ; v1(196.476,141.24) 196.476,141.222 U5.B2@196.896,141.642 ; U5.F2@196.896,144.843 196.896,144.846 197.286,145.236 v1(197.286,145.226) ; v1(197.296,150.98) 197.296,150.841 U5.N1@197.696,150.441 ; 197.696,140.39 U5.A1@197.696,140.842 197.704,140.842 198.322,141.46 v1(198.322,141.642) U5.B1@197.696,141.642 ; U5.D1@197.696,143.242 198.248,143.242 v1(198.306,143.3) ; U5.J1@197.696,147.243 198.283,147.243 v1(198.403,147.123) ; U5.L1@197.696,148.84 198.246,148.84 v1(198.286,148.8) ; v1(203.576,148.843) U6.L9@205.295,148.843 ; v1(204.589,147.243) U6.J9@205.295,147.243 ; v1(204.646,143.068) 204.82,143.242 U6.D9@205.295,143.242 205.304,143.251 206.086,143.251 U6.D8@206.095,143.242 ; v1(204.806,151.12) 204.806,150.93 U6.N9@205.295,150.441 ; U6.C9@205.295,142.442 205.295,142.421 v1(205.676,142.04) 206.074,141.642 U6.B8@206.095,141.642 ; U6.A8@206.095,140.842 206.095,140.811 v1(206.526,140.38) ; U6.F8@206.095,144.843 206.095,144.849 v1(206.476,145.23) ; v1(210.506,141.24) 210.896,141.63 U6.B2@210.896,141.642 ; U6.F2@210.896,144.843 210.91,144.843 v1(211.293,145.226) ; v1(211.296,150.98) 211.296,150.841 U6.N1@211.696,150.441 ; U6.A1@211.696,140.842 211.704,140.842 212.322,141.46 v1(212.322,141.642) U6.B1@211.696,141.642 ; U6.D1@211.696,143.242 v1(212.322,143.242) ; U6.J1@211.696,147.243 212.283,147.243 v1(212.403,147.123) ; U6.L1@211.696,148.84 212.246,148.84 v1(212.286,148.8) ; v1(217.576,148.843) U7.L9@219.295,148.843 ; v1(218.589,147.243) U7.J9@219.295,147.243 ; v1(218.726,142.901) 218.726,142.91 218.856,142.91 219.188,143.242 U7.D9@219.295,143.242 U7.D8@220.095,143.242 ; v1(218.806,151.12) 218.806,150.93 U7.N9@219.295,150.441 ; v1@218.876,142.03 v1(218.776,142.03) 219.188,142.442 U7.C9@219.295,142.442 ; v1(219.686,142.04) 219.697,142.04 U7.B8@220.095,141.642 220.095,141.411 220.098,141.408 220.098,141.074 220.095,141.071 U7.A8@220.095,140.842 ; U7.F8@220.095,144.843 220.095,144.849 v1(220.476,145.23) ; v1(224.491,141.225) 224.896,141.63 U7.B2@224.896,141.642 ; U7.F2@224.896,144.843 224.931,144.843 225.298,145.21 v1(225.286,145.21) ; U7.A1@225.696,140.842 225.704,140.842 226.322,141.46 v1(226.322,141.642) U7.B1@225.696,141.642 ; U7.D1@225.696,143.242 226.304,143.242 v1(226.36,143.298) ; U7.J1@225.696,147.243 226.283,147.243 v1(226.403,147.123) ; U7.L1@225.696,148.84 226.039,148.497 v1(226.242,148.497) ; U7.N1@225.696,150.441 v1(225.696,151.05)
  TOP w0.2: v1(110.546,149.418) 110.646,149.318 110.648,149.318 111.123,148.843 U0.L9@111.945,148.843 ; 214.946,139.11 214.951,139.115 C22.1@215.495,139.115
  TOP w0.254: C13.1@173.495,139.115 v1(174.381,139.115)
  TOP w0.3: v1(106.544,133.512) 106.769,133.737 C_VDQ9.2@107.416,133.737 ; v1(107.176,147.9) 107.318,147.758 ZR0.2@108.145,147.758 ; v1(107.346,152.74) C25.1@108.145,152.74 v1(108.986,152.74) ; 107.513,139.115 C1.1@108.145,139.115 ; v1(108.145,138.2) C1.1@108.145,139.115 ; CB1.2@108.666,132.785 108.666,132.049 v1(109.056,131.659) 109.376,131.339 109.376,130.009 109.601,129.784 ; 108.876,139.1 108.861,139.115 C1.1@108.145,139.115 ; v1(110.446,156.966) 110.446,156.947 C2.1@111.239,156.947 111.239,156.442 ; v1@111.991,131.655 v1(111.976,131.655) 112.386,131.245 112.386,129.999 112.601,129.784 ; v1(114.776,131.58) 115.356,131 115.356,130.029 115.601,129.784 ; v1(116.596,156.966) 116.615,156.947 C3.1@117.415,156.947 117.415,156.442 ; v1(117.876,131.73) 118.376,131.23 118.376,130.009 118.601,129.784 ; v1(120.926,131.638) 120.926,131.63 121.376,131.18 121.376,130.009 121.601,129.784 ; v1(121.376,141.979) C_VDQ1.2@122.145,141.979 122.145,141.322 ; v1(121.376,148.382) 121.376,148.22 121.839,147.757 ZR1.2@122.145,147.757 122.145,148.414 ; 121.396,152.7 121.436,152.74 C26.1@122.145,152.74 v1(122.986,152.74) ; 121.513,139.115 C4.1@122.145,139.115 v1(122.145,138.368) ; v1(123.826,131.81) 123.826,131.66 124.366,131.12 124.366,130.019 124.601,129.784 ; v1(124.421,156.966) 124.44,156.947 C5.1@125.239,156.947 125.239,156.442 ; v1(127.101,131.659) 127.376,131.384 127.376,130.009 127.601,129.784 ; v1(130.026,131.83) 130.386,131.47 130.386,129.999 130.601,129.784 ; v1@130.586,156.948 v1(130.586,156.966) 130.605,156.947 C6.1@131.415,156.947 131.415,156.442 ; v1(132.816,131.76) 133.396,131.18 133.396,129.989 133.601,129.784 ; v1(135.246,147.99) 135.479,147.757 ZR2.2@136.145,147.757 136.145,148.414 ; 135.406,152.71 135.436,152.74 C27.1@136.145,152.74 v1(136.986,152.74) ; 135.513,141.979 C_VDQ5.2@136.145,141.979 136.145,141.529 135.746,141.13 v1(135.586,141.13) ; v1(135.905,131.85) 136.376,131.379 136.376,130.009 136.601,129.784 ; 136.145,138.458 C7.1@136.145,139.115 136.256,139.004 136.256,138.51 v1(136.406,138.36) ; v1@138.426,156.947 v1(138.426,156.966) 138.445,156.947 C8.1@139.239,156.947 139.239,156.442 ; v1(138.886,131.755) 139.406,131.235 139.406,129.979 139.601,129.784 ; v1(141.776,131.79) 142.386,131.18 142.386,129.999 142.601,129.784 ; v1@144.626,156.947 v1(144.626,156.966) 144.645,156.947 C9.1@145.415,156.947 145.415,156.442 ; v1(145.256,131.7) 145.376,131.58 145.376,130.009 145.601,129.784 ; v1(147.526,132.52) 147.526,132.725 147.881,133.08 CB2.2@147.881,133.53 ; 147.881,134.302 CB2.2@147.881,133.53 ; v1(148.101,131.659) 148.366,131.394 148.366,130.019 148.601,129.784 ; 148.736,133.55 148.716,133.53 CB2.2@147.881,133.53 ; v1(149.236,148.26) 149.739,147.757 ZR3.2@150.145,147.757 ; 149.411,152.745 149.415,152.74 C28.1@150.145,152.74 v1(150.986,152.74) ; 149.513,139.115 C10.1@150.145,139.115 v1(150.145,138.368) ; 149.616,141.98 149.617,141.979 C_VDQ6.2@150.145,141.979 150.145,141.411 150.156,141.4 ; v1(151.101,131.659) 151.386,131.374 151.386,129.999 151.601,129.784 ; v1@152.4,156.947 v1(152.4,156.966) 152.419,156.947 C11.1@153.239,156.947 153.239,156.442 ; v1(154.101,131.659) 154.386,131.374 154.386,129.999 154.601,129.784 ; v1(158.546,156.966) 158.546,156.947 C12.1@159.439,156.947 159.439,156.442 ; v1(161.507,132.569) 161.791,132.853 CB3.2@161.791,133.53 161.791,134.545 161.806,134.56 ; v1(163.176,142.004) 164.145,142.004 C_VDQ2.2@164.145,141.979 164.145,141.322 ; v1(163.346,152.74) C29.1@164.145,152.74 ; 164.145,152.083 C29.1@164.145,152.74 ; v1(164.986,152.74) C29.1@164.145,152.74 ; C_SPD.2@170.308,134.63 170.308,134.912 v1(170.786,135.39) ; 170.806,138.75 170.776,138.72 169.946,138.72 169.496,139.17 U8.9@169.246,139.42 169.896,140.07 170.836,140.07 170.856,140.09 ; 173.495,138.458 C13.1@173.495,139.115 ; 173.495,146.186 ZR4.2@173.495,146.843 174.301,146.843 v1(174.326,146.868) ; v1(173.496,154.56) C30.1@173.496,153.654 174.33,153.654 v1(174.356,153.68) ; 177.216,156.95 177.248,156.918 C14.1@177.889,156.918 177.889,156.127 v1(177.916,156.1) ; v1(183.306,156.918) C15.1@184.089,156.918 184.089,156.413 ; v1(186.602,153.654) C31.1@187.496,153.654 v1(188.39,153.654) ; 186.863,139.115 C16.1@187.495,139.115 v1(187.495,138.368) ; v1(186.866,148.418) 186.866,148.06 187.169,147.757 ZR5.2@187.495,147.757 187.495,148.414 ; 186.956,141.99 186.967,141.979 C_VDQ3.2@187.495,141.979 187.495,141.371 187.496,141.37 ; CB5.2@189.551,133.53 190.396,133.53 v1(190.566,133.36) ; v1(190.956,131.6) 190.976,131.6 191.396,131.18 191.396,129.989 191.601,129.784 ; v1(191.116,156.91) 191.124,156.918 C17.1@191.889,156.918 191.889,157.55 ; v1(193.936,131.7) 194.376,131.26 194.376,130.009 194.601,129.784 ; v1(196.626,131.78) 197.376,131.03 197.376,130.009 197.601,129.784 ; v1(197.286,156.92) 197.288,156.918 C18.1@198.089,156.918 198.089,157.55 ; U5.J1@197.696,147.243 198.178,146.761 ; v1(200.01,131.588) 200.018,131.588 200.366,131.24 200.366,130.019 200.601,129.784 ; v1(200.59,153.654) C32.1@201.496,153.654 v1(202.422,153.654) ; 200.896,147.76 200.899,147.757 ZR6.2@201.495,147.757 201.495,148.414 ; v1(201.189,141.271) 201.189,141.283 201.495,141.589 C_VDQ7.2@201.495,141.979 ; v1(201.495,138.368) C19.1@201.495,139.115 202.127,139.115 ; v1(203.101,131.659) 203.356,131.404 203.356,130.029 203.601,129.784 ; v1(205.086,156.91) 205.094,156.918 C20.1@205.889,156.918 205.889,156.413 ; v1(205.897,131.72) 206.376,131.241 206.376,130.009 206.601,129.784 ; v1(208.986,131.72) 209.376,131.33 209.376,130.009 209.601,129.784 ; v1(211.236,156.91) 211.244,156.918 C21.1@212.089,156.918 212.089,156.413 ; v1(211.926,131.73) 211.976,131.73 212.386,131.32 212.386,129.999 212.601,129.784 ; v1(214.636,148.312) 214.636,148.29 215.169,147.757 ZR7.2@215.495,147.757 215.495,148.414 ; v1(214.636,153.654) C33.1@215.496,153.654 v1(216.42,153.654) ; v1(214.826,131.66) 215.386,131.1 215.386,129.999 215.601,129.784 ; v1(215.211,141.294) 215.233,141.294 215.233,141.358 215.495,141.62 C_VDQ4.2@215.495,141.979 216.127,141.979 ; v1(215.495,138.368) C22.1@215.495,139.115 216.127,139.115 ; v1(218.101,131.659) 218.366,131.394 218.366,130.019 218.601,129.784 ; v1(219.076,156.91) 219.084,156.918 C23.1@219.889,156.918 219.889,157.55 ; v1(221.101,131.659) 221.356,131.404 221.356,130.029 221.601,129.784 ; v1(223.836,131.68) 224.601,130.915 224.601,129.784 ; v1(225.286,156.91) 225.294,156.918 C24.1@226.089,156.918 226.089,156.413 ; 227.601,129.784 227.776,129.959 227.776,131.61 v1(227.866,131.7) ; 228.696,134.37 228.721,134.345 ; 228.721,134.302 CB4.2@228.721,133.53 228.731,133.54 229.661,133.54 v1(229.721,133.6) ; 230.317,136.245 C_VDQ8.2@230.317,136.877 230.45,137.01 230.997,137.01 v1(231.166,137.179)
  BOTTOM w0.3: 108.601,129.784 108.601,131.204 v1(109.056,131.659) ; 111.601,129.784 111.601,131.28 v1(111.976,131.655) ; 114.601,129.784 114.601,131.405 v1(114.776,131.58) ; 117.601,129.784 117.601,131.455 v1(117.876,131.73) ; 120.601,129.784 120.601,131.315 120.924,131.638 v1(120.926,131.638) ; 123.601,129.784 123.601,131.585 v1(123.826,131.81) ; 126.601,129.784 126.601,131.18 127.08,131.659 v1@127.097,131.659 ; 129.601,129.784 129.601,131.405 v1(130.026,131.83) ; 132.601,129.784 132.816,129.999 v1(132.816,131.76) ; 135.601,129.784 135.796,129.979 135.796,131.741 v1(135.905,131.85) ; 138.601,129.784 138.806,129.989 138.806,131.675 v1(138.886,131.755) ; 141.601,129.784 141.601,131.615 v1(141.776,131.79) ; 144.601,129.784 144.826,130.009 144.826,131.27 v1(145.256,131.7) ; 147.601,129.784 147.601,131.159 v1(148.101,131.659) ; 150.601,129.784 150.601,131.24 151.02,131.659 v1(151.101,131.659) ; 153.601,129.784 153.601,131.159 v1(154.101,131.659) ; 190.601,129.784 190.806,129.989 190.806,131.45 v1(190.956,131.6) ; 193.601,129.784 193.826,130.009 193.826,131.59 v1(193.936,131.7) ; 196.601,129.784 196.601,131.755 v1(196.626,131.78) ; 199.601,129.784 199.816,129.999 199.816,131.394 v1(200.01,131.588) ; 202.601,129.784 202.826,130.009 202.826,131.384 v1(203.101,131.659) ; 205.601,129.784 205.826,130.009 205.826,131.649 v1(205.897,131.72) ; 208.601,129.784 208.836,130.019 208.836,131.57 v1(208.986,131.72) ; 211.601,129.784 211.826,130.009 211.826,131.63 v1(211.926,131.73) ; 214.601,129.784 214.826,130.009 v1(214.826,131.66) ; 217.601,129.784 217.837,130.02 217.837,131.395 v1(218.101,131.659) ; 220.601,129.784 220.816,129.999 220.816,131.374 v1(221.101,131.659) ; 223.601,129.784 223.836,130.019 v1(223.836,131.68) ; 226.601,129.784 226.601,131.505 v1(226.796,131.7) ; 230.601,129.784 230.826,130.009 230.826,131.23 v1(231.286,131.69)
  BOTTOM w0.4: v1@127.097,131.659 v1(127.101,131.659) ; v1@200.01,131.572 v1(200.01,131.588) ; v1@203.097,131.659 v1(203.101,131.659)
  other v1: 149.825,141.255 187.184,141.265 104.356,148.33 105.176,148.33 200.656,148.4